# Altium PCB IceZUM_Core_HX1K.PcbDoc (part 1 of 2)
Units mm, origin at the board's own origin, x right, y up, seen from the top; angles counter-clockwise.
Board outline 68.58 x 53.34 mm, 4 copper layers (Top Layer, GND, Power, Bottom Layer), stack 1.537 mm thick; 179 components, 139 nets, 789 pads, 259 vias.
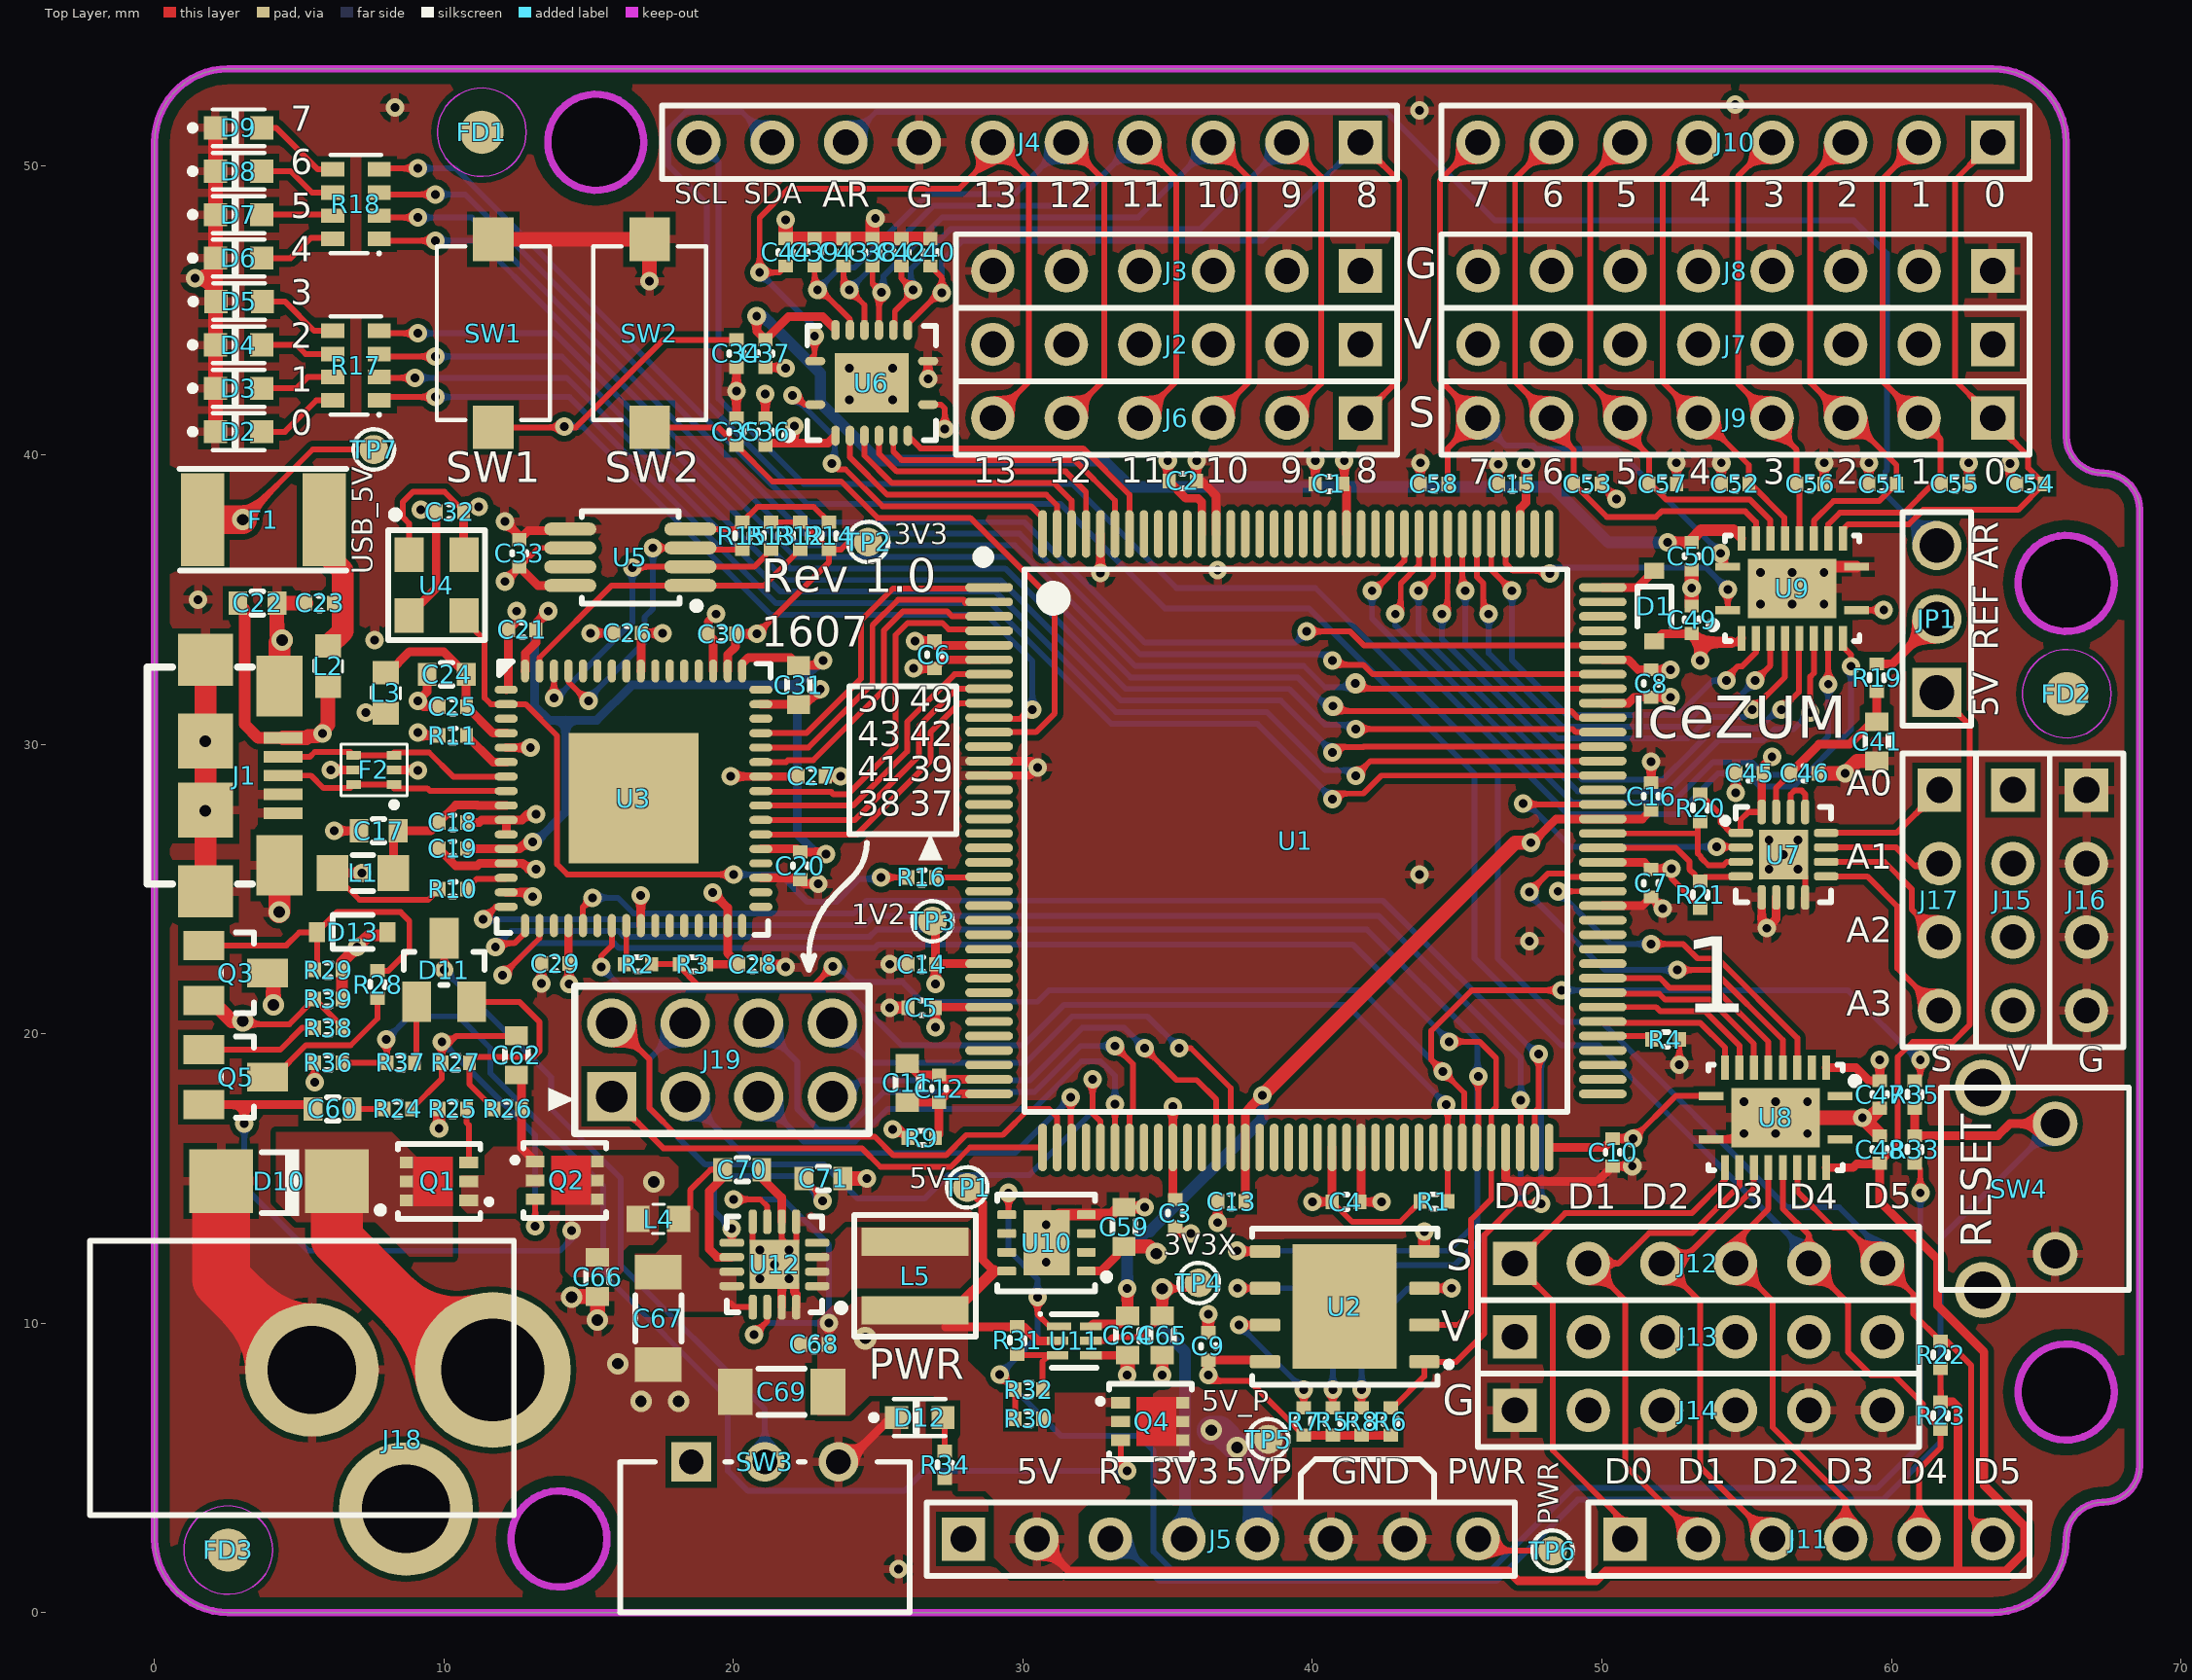
[diagram p0: Top Layer view]
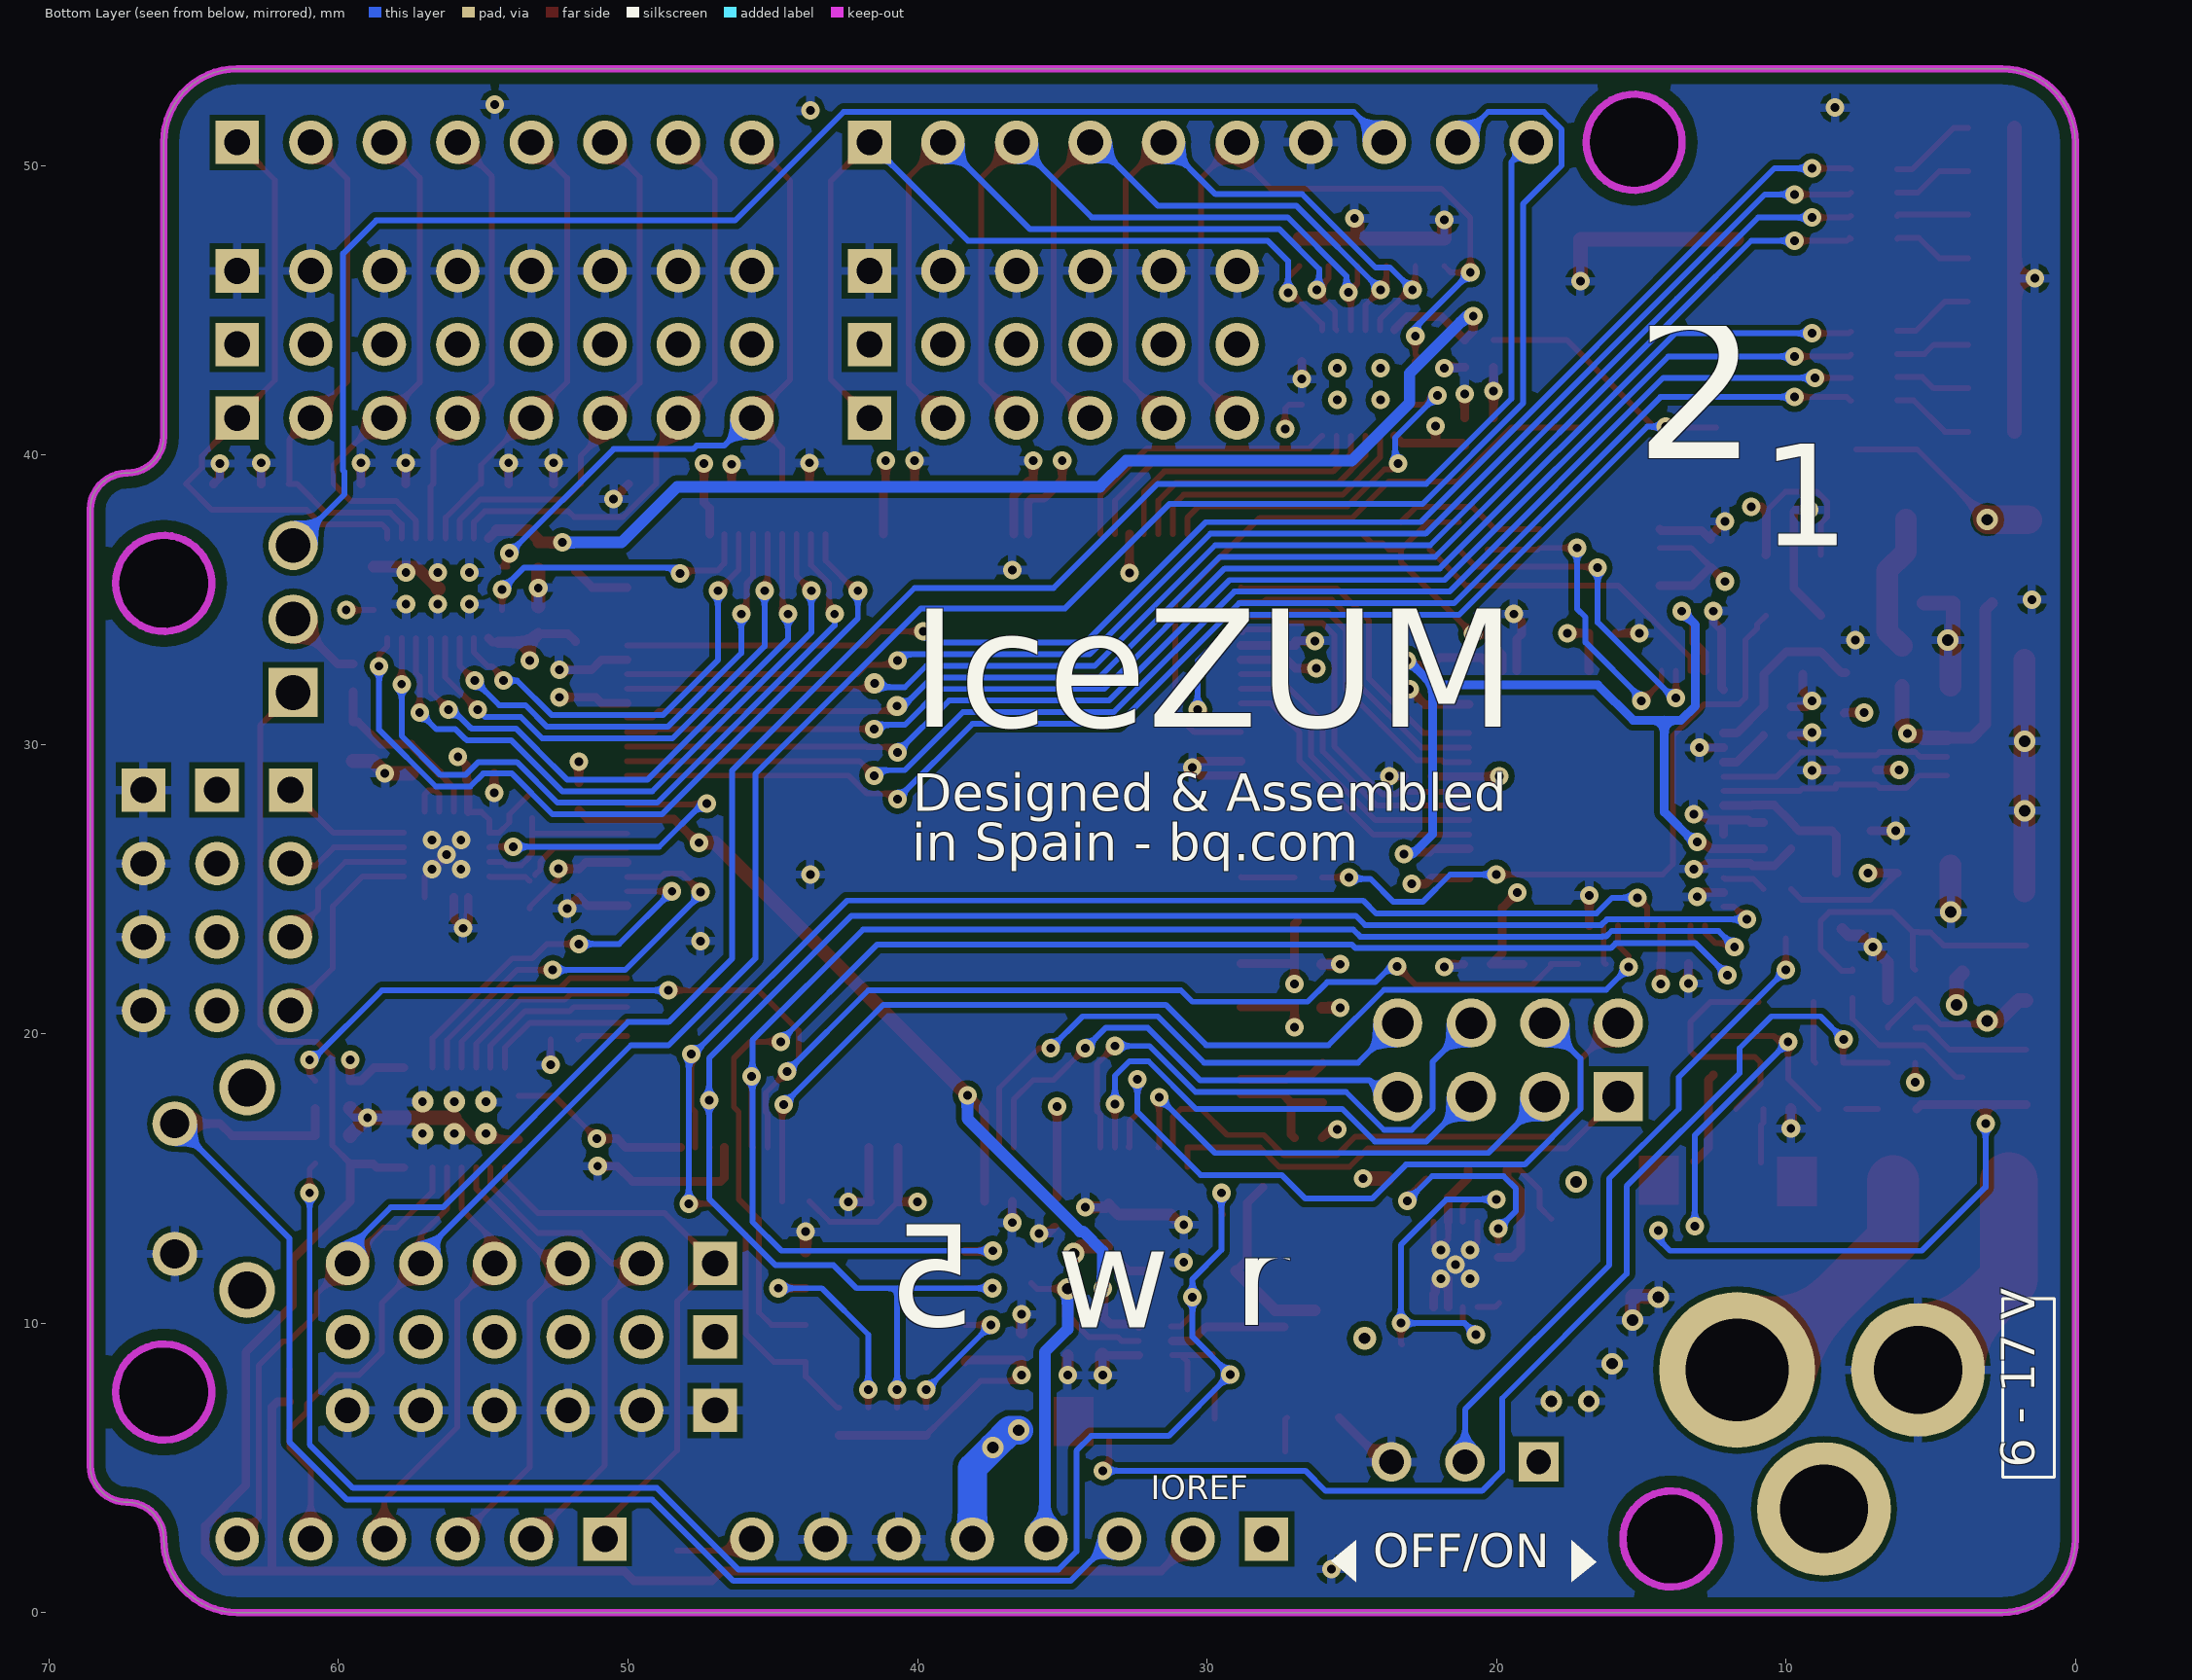
[diagram p1: Bottom Layer view, seen from below]
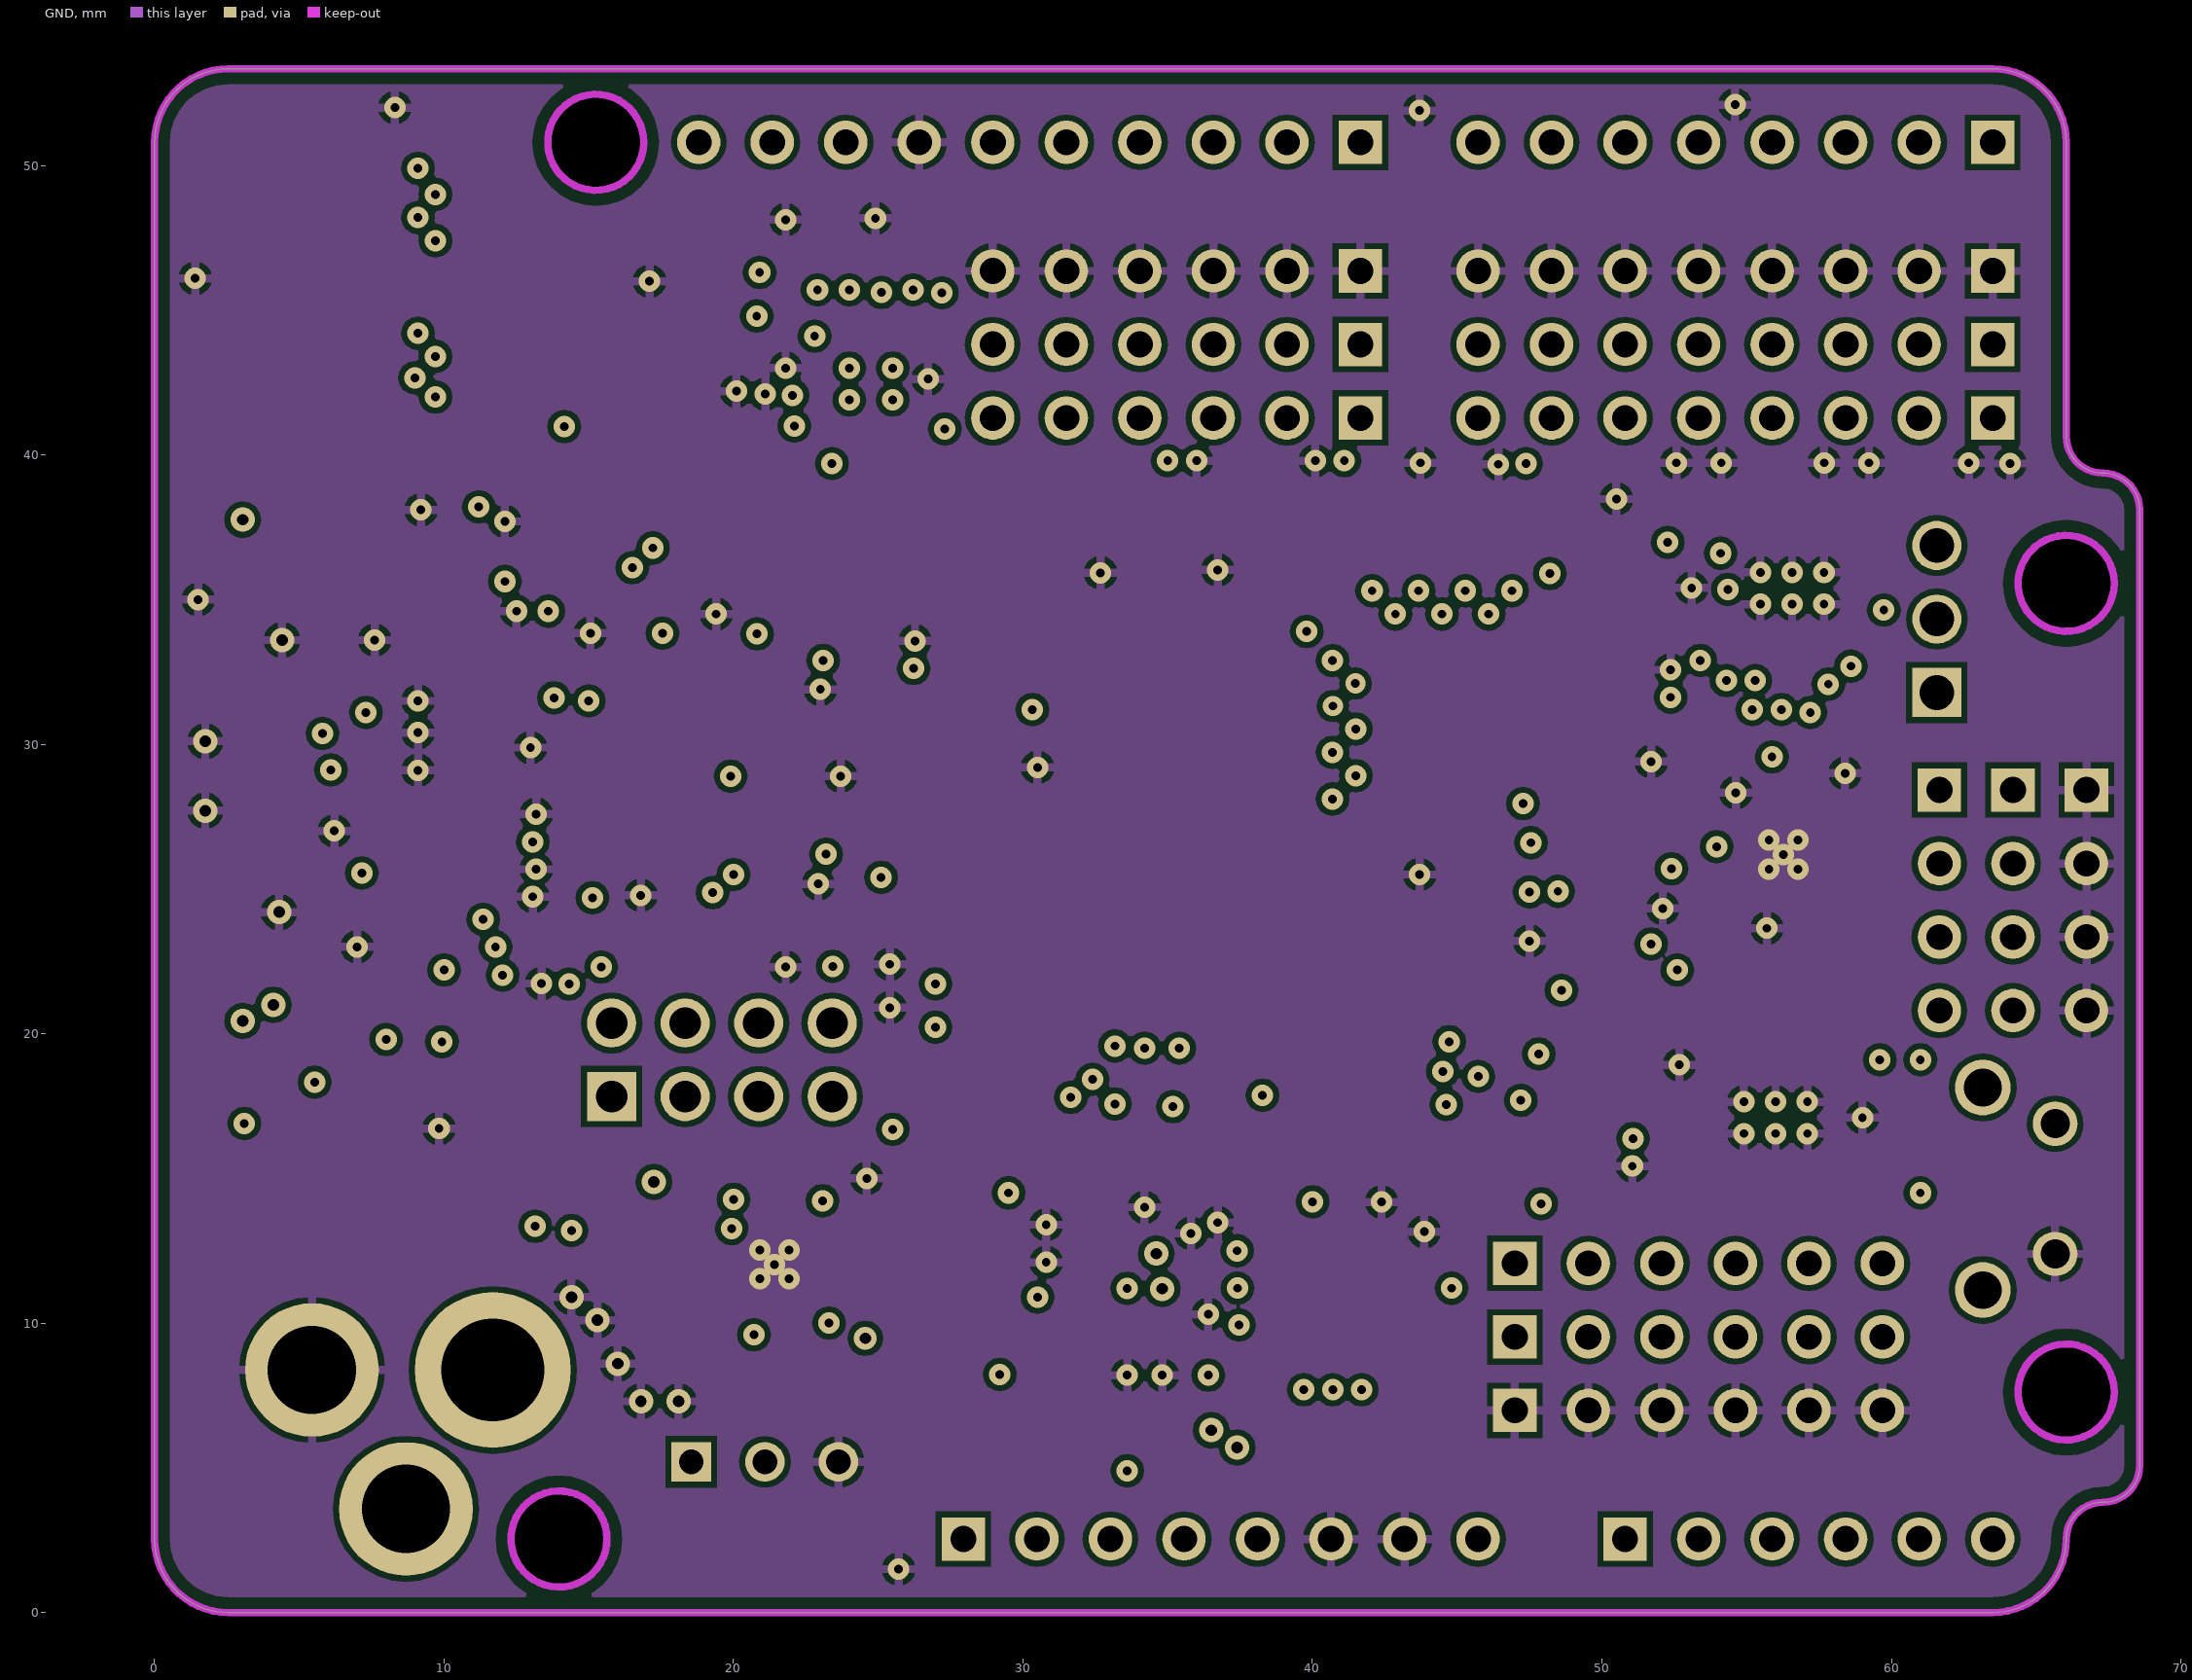
[diagram p2: GND]